# KiCad board 8x8.kicad_pcb (continued)
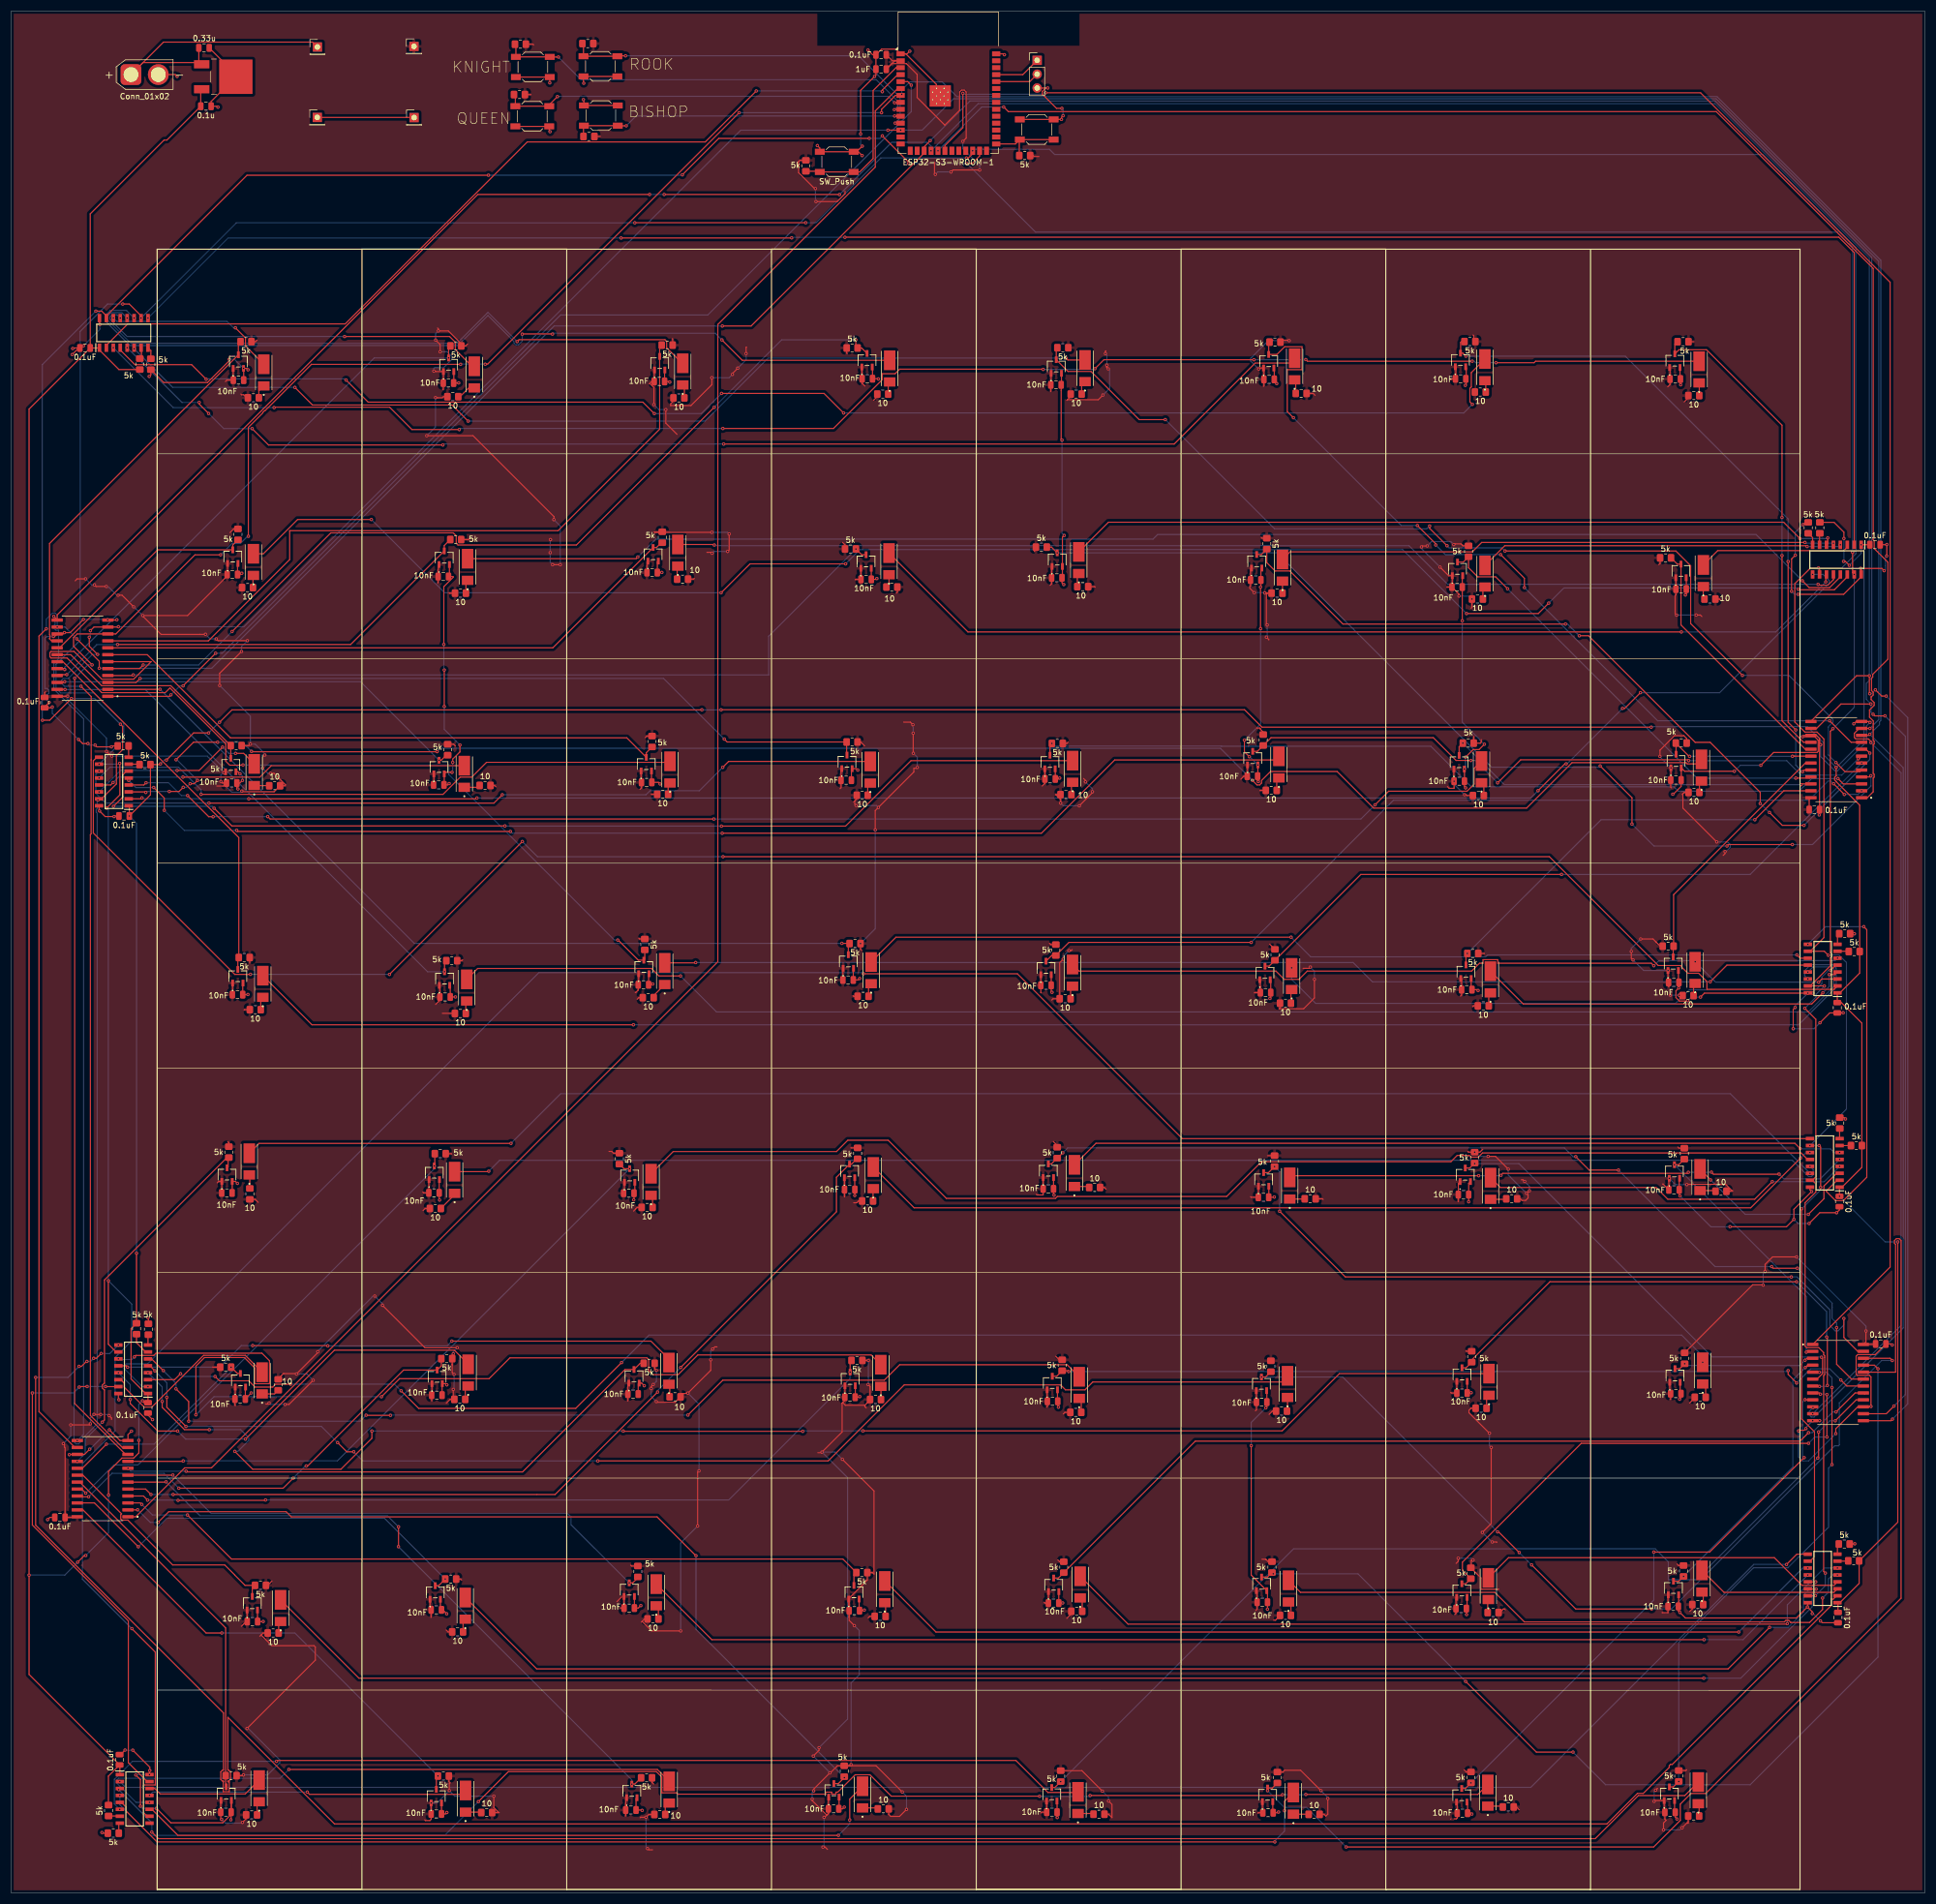
[diagram p0: board, top side]
## Placement (name value [footprint] x y rotation side) (continued)
J16  Conn_01x03  [TSOT-3L_MLX92232LSE-AAA-002-SP_MEL]  191.42 279.68 0 top
J17  Conn_01x03  [TSOT-3L_MLX92232LSE-AAA-002-SP_MEL]  79.35 244.65 0 top
J18  Conn_01x03  [TSOT-3L_MLX92232LSE-AAA-002-SP_MEL]  80.15 280 0 top
J19  Conn_01x03  [TSOT-3L_MLX92232LSE-AAA-002-SP_MEL]  264.9 242.6 0 top
J20  Conn_01x03  [TSOT-3L_MLX92232LSE-AAA-002-SP_MEL]  265.45 280.88 0 top
J21  Conn_01x03  [TSOT-3L_MLX92232LSE-AAA-002-SP_MEL]  78.4 206.3 0 top
J22  Conn_01x03  [TSOT-3L_MLX92232LSE-AAA-002-SP_MEL]  265.2 207.18 0 top
J23  Conn_01x03  [TSOT-3L_MLX92232LSE-AAA-002-SP_MEL]  79.4 167.55 0 top
J24  Conn_01x03  [TSOT-3L_MLX92232LSE-AAA-002-SP_MEL]  266.45 168.8 0 top
J25  Conn_01x03  [TSOT-3L_MLX92232LSE-AAA-002-SP_MEL]  40.63 244.85 0 top
J26  Conn_01x03  [TSOT-3L_MLX92232LSE-AAA-002-SP_MEL]  41.65 280.58 0 top
J27  Conn_01x03  [TSOT-3L_MLX92232LSE-AAA-002-SP_MEL]  305.83 242.23 0 top
J28  Conn_01x03  [TSOT-3L_MLX92232LSE-AAA-002-SP_MEL]  304.7 280.74 0 top
J29  Conn_01x03  [TSOT-3L_MLX92232LSE-AAA-002-SP_MEL]  41.55 167.98 0 top
J30  Conn_01x03  [TSOT-3L_MLX92232LSE-AAA-002-SP_MEL]  40.26 206.68 0 top
J31  Conn_01x03  [TSOT-3L_MLX92232LSE-AAA-002-SP_MEL]  304.4 170.27 0 top
J32  Conn_01x03  [TSOT-3L_MLX92232LSE-AAA-002-SP_MEL]  304.92 207.4 0 top
J33  Conn_01x03  [TSOT-3L_MLX92232LSE-AAA-002-SP_MEL]  114.1 94.68 0 top
J34  Conn_01x03  [TSOT-3L_MLX92232LSE-AAA-002-SP_MEL]  113.7 18.72 0 top
J35  Conn_01x03  [TSOT-3L_MLX92232LSE-AAA-002-SP_MEL]  265.7 55.43 0 top
J36  Conn_01x03  [TSOT-3L_MLX92232LSE-AAA-002-SP_MEL]  266.33 131.6 0 top
J37  Conn_01x03  [TSOT-3L_MLX92232LSE-AAA-002-SP_MEL]  113.22 55.59 0 top
J38  Conn_01x03  [TSOT-3L_MLX92232LSE-AAA-002-SP_MEL]  265.73 95 0 top
J39  Conn_01x03  [TSOT-3L_MLX92232LSE-AAA-002-SP_MEL]  113.3 131.47 0 top
J40  Conn_01x03  [TSOT-3L_MLX92232LSE-AAA-002-SP_MEL]  265.67 17.92 0 top
J41  Conn_01x02  [AMASS_XT30U-M_1x02_P5.0mm_Vertical]  21.99 333.16 0 top
J42  Conn_01x01  [PinHeader_1x01_P2.54mm_Vertical]  56.13 338.21 0 top
J43  Conn_01x01  [PinHeader_1x01_P2.54mm_Vertical]  56.1 325.31 0 top
J44  Conn_01x01  [PinHeader_1x01_P2.54mm_Vertical]  73.8 338.32 0 top
J45  Conn_01x01  [PinHeader_1x01_P2.54mm_Vertical]  73.83 325.29 0 top
J46  Conn_01x03  [TSOT-3L_MLX92232LSE-AAA-002-SP_MEL]  154.37 55.12 0 top
J47  Conn_01x03  [TSOT-3L_MLX92232LSE-AAA-002-SP_MEL]  150.7 18.82 0 top
J48  Conn_01x03  [TSOT-3L_MLX92232LSE-AAA-002-SP_MEL]  304.73 94.83 0 top
J49  Conn_01x03  [TSOT-3L_MLX92232LSE-AAA-002-SP_MEL]  304.63 132.2 0 top
J50  Conn_01x03  [TSOT-3L_MLX92232LSE-AAA-002-SP_MEL]  153.67 94.2 0 top
J51  Conn_01x03  [TSOT-3L_MLX92232LSE-AAA-002-SP_MEL]  304.45 55.9 0 top
J52  Conn_01x03  [TSOT-3L_MLX92232LSE-AAA-002-SP_MEL]  153.58 132.3 0 top
J53  Conn_01x03  [TSOT-3L_MLX92232LSE-AAA-002-SP_MEL]  303.7 18.2 0 top
J54  Conn_01x03  [TSOT-3L_MLX92232LSE-AAA-002-SP_MEL]  78.05 94.58 0 top
J55  Conn_01x03  [TSOT-3L_MLX92232LSE-AAA-002-SP_MEL]  77.52 131.97 0 top
J56  Conn_01x03  [TSOT-3L_MLX92232LSE-AAA-002-SP_MEL]  229.03 56.65 0 top
J57  Conn_01x03  [TSOT-3L_MLX92232LSE-AAA-002-SP_MEL]  230.13 18 0 top
J58  Conn_01x03  [TSOT-3L_MLX92232LSE-AAA-002-SP_MEL]  77.7 55.07 0 top
J59  Conn_01x03  [TSOT-3L_MLX92232LSE-AAA-002-SP_MEL]  229 93.3 0 top
J60  Conn_01x03  [TSOT-3L_MLX92232LSE-AAA-002-SP_MEL]  77.9 17.75 0 top
J61  Conn_01x03  [TSOT-3L_MLX92232LSE-AAA-002-SP_MEL]  229.4 130.75 0 top
J62  Conn_01x03  [TSOT-3L_MLX92232LSE-AAA-002-SP_MEL]  42.03 93.95 0 top
J63  Conn_01x03  [TSOT-3L_MLX92232LSE-AAA-002-SP_MEL]  39.58 131.63 0 top
J64  Conn_01x03  [TSOT-3L_MLX92232LSE-AAA-002-SP_MEL]  190.95 56.48 0 top
J65  Conn_01x03  [TSOT-3L_MLX92232LSE-AAA-002-SP_MEL]  190.6 18.1 0 top
J66  Conn_01x03  [TSOT-3L_MLX92232LSE-AAA-002-SP_MEL]  39.43 18.23 0 top
J67  Conn_01x03  [TSOT-3L_MLX92232LSE-AAA-002-SP_MEL]  44.2 53.1 0 top
J68  Conn_01x03  [TSOT-3L_MLX92232LSE-AAA-002-SP_MEL]  189.97 132.34 0 top
J69  Conn_01x03  [TSOT-3L_MLX92232LSE-AAA-002-SP_MEL]  190.7 93.45 0 top
J70  Conn_01x03  [PinHeader_1x03_P2.54mm_Vertical]  187.92 335.78 0 top
R1  5k  [R_0805_2012Metric_Pad1.20x1.40mm_HandSolder]  331.25 250.12 270 top
R2  5k  [R_0805_2012Metric_Pad1.20x1.40mm_HandSolder]  329.12 250.12 270 top
R3  5k  [R_0805_2012Metric_Pad1.20x1.40mm_HandSolder]  23.6 280.12 90 top
R4  5k  [R_0805_2012Metric_Pad1.20x1.40mm_HandSolder]  25.62 280.1 90 top
R5  5k  [R_0805_2012Metric_Pad1.20x1.40mm_HandSolder]  24.55 206.75 180 top
R6  5k  [R_0805_2012Metric_Pad1.20x1.40mm_HandSolder]  20.55 210.18 0 top
R7  5k  [R_0805_2012Metric_Pad1.20x1.40mm_HandSolder]  337.55 172.5 180 top
R8  5k  [R_0805_2012Metric_Pad1.20x1.40mm_HandSolder]  335.8 175.78 180 top
R9  5k  [R_0805_2012Metric_Pad1.20x1.40mm_HandSolder]  337.95 136.95 180 top
R10  5k  [R_0805_2012Metric_Pad1.20x1.40mm_HandSolder]  334.9 141.08 270 top
R11  5k  [R_0805_2012Metric_Pad1.20x1.40mm_HandSolder]  23 103.4 270 top
R12  5k  [R_0805_2012Metric_Pad1.20x1.40mm_HandSolder]  25.18 103.3 270 top
R13  5k  [R_0805_2012Metric_Pad1.20x1.40mm_HandSolder]  337.45 60.88 180 top
R14  5k  [R_0805_2012Metric_Pad1.20x1.40mm_HandSolder]  335.73 63.95 180 top
R15  10  [R_0805_2012Metric_Pad1.20x1.40mm_HandSolder]  311.12 237.08 180 top
R16  10  [R_0805_2012Metric_Pad1.20x1.40mm_HandSolder]  268.55 237.08 0 top
R17  10  [R_0805_2012Metric_Pad1.20x1.40mm_HandSolder]  231.85 238.15 0 top
R18  10  [R_0805_2012Metric_Pad1.20x1.40mm_HandSolder]  196.28 239.35 180 top
R19  10  [R_0805_2012Metric_Pad1.20x1.40mm_HandSolder]  161.33 239.28 180 top
R20  10  [R_0805_2012Metric_Pad1.20x1.40mm_HandSolder]  123 240.73 180 top
R21  10  [R_0805_2012Metric_Pad1.20x1.40mm_HandSolder]  82.33 238.15 0 top
R22  10  [R_0805_2012Metric_Pad1.20x1.40mm_HandSolder]  43.33 239.18 0 top
R23  10  [R_0805_2012Metric_Pad1.20x1.40mm_HandSolder]  308.17 274.35 0 top
R24  10  [R_0805_2012Metric_Pad1.20x1.40mm_HandSolder]  269.08 275 0 top
R25  10  [R_0805_2012Metric_Pad1.20x1.40mm_HandSolder]  236.28 274.75 180 top
R26  10  [R_0805_2012Metric_Pad1.20x1.40mm_HandSolder]  195.08 274.62 0 top
R27  10  [R_0805_2012Metric_Pad1.20x1.40mm_HandSolder]  159.65 274.62 0 top
R28  10  [R_0805_2012Metric_Pad1.20x1.40mm_HandSolder]  122.33 273.93 0 top
R29  10  [R_0805_2012Metric_Pad1.20x1.40mm_HandSolder]  80.93 274.15 0 top
R30  10  [R_0805_2012Metric_Pad1.20x1.40mm_HandSolder]  44.4 273.95 0 top
R31  10  [R_0805_2012Metric_Pad1.20x1.40mm_HandSolder]  308.2 201.65 0 top
R32  10  [R_0805_2012Metric_Pad1.20x1.40mm_HandSolder]  268.73 201.08 0 top
R33  10  [R_0805_2012Metric_Pad1.20x1.40mm_HandSolder]  230.8 202.03 0 top
R34  10  [R_0805_2012Metric_Pad1.20x1.40mm_HandSolder]  193.2 201.25 0 top
R35  10  [R_0805_2012Metric_Pad1.20x1.40mm_HandSolder]  155.9 201.12 0 top
R36  10  [R_0805_2012Metric_Pad1.20x1.40mm_HandSolder]  119.35 201.3 0 top
R37  10  [R_0805_2012Metric_Pad1.20x1.40mm_HandSolder]  86.83 202.93 180 top
R38  10  [R_0805_2012Metric_Pad1.20x1.40mm_HandSolder]  48.3 202.88 180 top
R39  10  [R_0805_2012Metric_Pad1.20x1.40mm_HandSolder]  307.12 164.43 0 top
R40  10  [R_0805_2012Metric_Pad1.20x1.40mm_HandSolder]  269.62 162.55 0 top
R41  10  [R_0805_2012Metric_Pad1.20x1.40mm_HandSolder]  233.4 163.03 0 top
R42  10  [R_0805_2012Metric_Pad1.20x1.40mm_HandSolder]  193.05 163.85 0 top
R43  10  [R_0805_2012Metric_Pad1.20x1.40mm_HandSolder]  156.05 164.3 0 top
R44  10  [R_0805_2012Metric_Pad1.20x1.40mm_HandSolder]  116.7 164.05 0 top
R45  10  [R_0805_2012Metric_Pad1.20x1.40mm_HandSolder]  82.3 161.15 0 top
R46  10  [R_0805_2012Metric_Pad1.20x1.40mm_HandSolder]  44.75 161.85 0 top
R47  10  [R_0805_2012Metric_Pad1.20x1.40mm_HandSolder]  313.15 128.58 180 top
R48  10  [R_0805_2012Metric_Pad1.20x1.40mm_HandSolder]  274.83 127.2 180 top
R49  10  [R_0805_2012Metric_Pad1.20x1.40mm_HandSolder]  237.92 127.2 180 top
R50  10  [R_0805_2012Metric_Pad1.20x1.40mm_HandSolder]  198.45 129.28 180 top
R51  10  [R_0805_2012Metric_Pad1.20x1.40mm_HandSolder]  156.88 126.8 0 top
R52  10  [R_0805_2012Metric_Pad1.20x1.40mm_HandSolder]  116.5 125.62 0 top
R53  10  [R_0805_2012Metric_Pad1.20x1.40mm_HandSolder]  77.72 125.43 0 top
R54  10  [R_0805_2012Metric_Pad1.20x1.40mm_HandSolder]  43.75 128.09 90 top
R55  10  [R_0805_2012Metric_Pad1.20x1.40mm_HandSolder]  309.35 90.82 0 top
R56  10  [R_0805_2012Metric_Pad1.20x1.40mm_HandSolder]  269.23 88.82 0 top
R57  10  [R_0805_2012Metric_Pad1.20x1.40mm_HandSolder]  232.67 88.3 0 top
R58  10  [R_0805_2012Metric_Pad1.20x1.40mm_HandSolder]  195 88.07 0 top
R59  10  [R_0805_2012Metric_Pad1.20x1.40mm_HandSolder]  158.33 90.43 0 top
R60  10  [R_0805_2012Metric_Pad1.20x1.40mm_HandSolder]  121.62 90.92 180 top
R61  10  [R_0805_2012Metric_Pad1.20x1.40mm_HandSolder]  82.2 90.45 0 top
R62  10  [R_0805_2012Metric_Pad1.20x1.40mm_HandSolder]  48.95 93.12 270 top
R63  10  [R_0805_2012Metric_Pad1.20x1.40mm_HandSolder]  308.9 52.85 0 top
R64  10  [R_0805_2012Metric_Pad1.20x1.40mm_HandSolder]  271.42 51.4 180 top
R65  10  [R_0805_2012Metric_Pad1.20x1.40mm_HandSolder]  233.4 50.88 0 top
R66  10  [R_0805_2012Metric_Pad1.20x1.40mm_HandSolder]  195.17 51.62 0 top
R67  10  [R_0805_2012Metric_Pad1.20x1.40mm_HandSolder]  159.17 50.69 0 top
R68  10  [R_0805_2012Metric_Pad1.20x1.40mm_HandSolder]  117.58 50.23 0 top
R69  10  [R_0805_2012Metric_Pad1.20x1.40mm_HandSolder]  81.8 47.85 0 top
R70  10  [R_0805_2012Metric_Pad1.20x1.40mm_HandSolder]  48.03 47.65 0 top
R71  5k  [R_0805_2012Metric_Pad1.20x1.40mm_HandSolder]  17.88 15.12 270 top
R72  5k  [R_0805_2012Metric_Pad1.20x1.40mm_HandSolder]  18.75 10.98 0 top
R73  5k  [R_0805_2012Metric_Pad1.20x1.40mm_HandSolder]  119.28 248.4 90 top
R74  5k  [R_0805_2012Metric_Pad1.20x1.40mm_HandSolder]  116.08 173.8 90 top
R75  5k  [R_0805_2012Metric_Pad1.20x1.40mm_HandSolder]  229.97 247.23 90 top
R76  5k  [R_0805_2012Metric_Pad1.20x1.40mm_HandSolder]  231.47 171.9 90 top
R77  5k  [R_0805_2012Metric_Pad1.20x1.40mm_HandSolder]  117.4 210.98 90 top
R78  5k  [R_0805_2012Metric_Pad1.20x1.40mm_HandSolder]  229.33 211.25 90 top
R79  5k  [R_0805_2012Metric_Pad1.20x1.40mm_HandSolder]  120.18 283.6 0 top
R80  5k  [R_0805_2012Metric_Pad1.20x1.40mm_HandSolder]  231.47 284.15 0 top
R81  5k  [R_0805_2012Metric_Pad1.20x1.40mm_HandSolder]  153.74 246.25 180 top
R82  5k  [R_0805_2012Metric_Pad1.20x1.40mm_HandSolder]  154.03 210.89 0 top
R83  5k  [R_0805_2012Metric_Pad1.20x1.40mm_HandSolder]  154.58 173.96 0 top
R84  5k  [R_0805_2012Metric_Pad1.20x1.40mm_HandSolder]  188.7 246.59 180 top
R85  5k  [R_0805_2012Metric_Pad1.20x1.40mm_HandSolder]  191.63 210.62 0 top
R86  5k  [R_0805_2012Metric_Pad1.20x1.40mm_HandSolder]  191.35 172.78 90 top
R87  5k  [R_0805_2012Metric_Pad1.20x1.40mm_HandSolder]  154.05 283.08 180 top
R88  5k  [R_0805_2012Metric_Pad1.20x1.40mm_HandSolder]  192.63 283.12 0 top
R89  10  [R_0805_2012Metric_Pad1.20x1.40mm_HandSolder]  308.15 14.12 0 top
R90  10  [R_0805_2012Metric_Pad1.20x1.40mm_HandSolder]  274.2 15.78 180 top
R91  10  [R_0805_2012Metric_Pad1.20x1.40mm_HandSolder]  238.65 14.43 180 top
R92  10  [R_0805_2012Metric_Pad1.20x1.40mm_HandSolder]  199.25 14.45 180 top
R93  10  [R_0805_2012Metric_Pad1.20x1.40mm_HandSolder]  159.75 15.43 180 top
R94  10  [R_0805_2012Metric_Pad1.20x1.40mm_HandSolder]  118.83 14.4 0 top
R95  10  [R_0805_2012Metric_Pad1.20x1.40mm_HandSolder]  87.12 14.75 180 top
R96  10  [R_0805_2012Metric_Pad1.20x1.40mm_HandSolder]  44.08 14.32 0 top
R97  5k  [R_0805_2012Metric_Pad1.20x1.40mm_HandSolder]  81.45 247.98 0 top
R98  5k  [R_0805_2012Metric_Pad1.20x1.40mm_HandSolder]  81.47 283.45 0 top
R99  5k  [R_0805_2012Metric_Pad1.20x1.40mm_HandSolder]  266.92 245.83 90 top
R100  5k  [R_0805_2012Metric_Pad1.20x1.40mm_HandSolder]  267.17 284.25 0 top
R101  5k  [R_0805_2012Metric_Pad1.20x1.40mm_HandSolder]  79.97 209.48 90 top
R102  5k  [R_0805_2012Metric_Pad1.20x1.40mm_HandSolder]  266.88 210.68 0 top
R103  5k  [R_0805_2012Metric_Pad1.20x1.40mm_HandSolder]  80.72 170.83 0 top
R104  5k  [R_0805_2012Metric_Pad1.20x1.40mm_HandSolder]  267.7 172.15 0 top
R105  5k  [R_0805_2012Metric_Pad1.20x1.40mm_HandSolder]  41.58 248.93 90 top
R106  5k  [R_0805_2012Metric_Pad1.20x1.40mm_HandSolder]  43.05 284.23 0 top
R107  5k  [R_0805_2012Metric_Pad1.20x1.40mm_HandSolder]  303 244.62 180 top
R108  5k  [R_0805_2012Metric_Pad1.20x1.40mm_HandSolder]  306.2 284.23 0 top
R109  5k  [R_0805_2012Metric_Pad1.20x1.40mm_HandSolder]  42.72 171.4 0 top
R110  5k  [R_0805_2012Metric_Pad1.20x1.40mm_HandSolder]  41.25 210.23 0 top
R111  5k  [R_0805_2012Metric_Pad1.20x1.40mm_HandSolder]  303.48 173.48 180 top
R112  5k  [R_0805_2012Metric_Pad1.20x1.40mm_HandSolder]  305.88 210.7 0 top
R113  5k  [R_0805_2012Metric_Pad1.20x1.40mm_HandSolder]  116.89 97.06 0 top
R114  5k  [R_0805_2012Metric_Pad1.20x1.40mm_HandSolder]  116.4 21.12 0 top
R115  5k  [R_0805_2012Metric_Pad1.20x1.40mm_HandSolder]  267.34 58.6 90 top
R116  5k  [R_0805_2012Metric_Pad1.20x1.40mm_HandSolder]  268.04 134.75 90 top
R117  5k  [R_0805_2012Metric_Pad1.20x1.40mm_HandSolder]  114.8 58.93 90 top
R118  5k  [R_0805_2012Metric_Pad1.20x1.40mm_HandSolder]  267.5 98.27 90 top
R119  5k  [R_0805_2012Metric_Pad1.20x1.40mm_HandSolder]  111.43 134.55 90 top
R120  5k  [R_0805_2012Metric_Pad1.20x1.40mm_HandSolder]  267.36 21.19 90 top
R121  5k  [R_0805_2012Metric_Pad1.20x1.40mm_HandSolder]  154.92 97.59 0 top
R122  5k  [R_0805_2012Metric_Pad1.20x1.40mm_HandSolder]  155.82 58.72 0 top
R123  5k  [R_0805_2012Metric_Pad1.20x1.40mm_HandSolder]  152.6 22.32 90 top
R124  5k  [R_0805_2012Metric_Pad1.20x1.40mm_HandSolder]  306.29 59.02 90 top
R125  5k  [R_0805_2012Metric_Pad1.20x1.40mm_HandSolder]  306.49 97.98 90 top
R126  5k  [R_0805_2012Metric_Pad1.20x1.40mm_HandSolder]  306.44 135.47 90 top
R127  5k  [R_0805_2012Metric_Pad1.20x1.40mm_HandSolder]  155.05 135.53 90 top
R128  5k  [R_0805_2012Metric_Pad1.20x1.40mm_HandSolder]  305.41 21.45 90 top
R129  5k  [R_0805_2012Metric_Pad1.20x1.40mm_HandSolder]  79.81 97.91 0 top
R130  5k  [R_0805_2012Metric_Pad1.20x1.40mm_HandSolder]  78.62 135.47 0 top
R131  5k  [R_0805_2012Metric_Pad1.20x1.40mm_HandSolder]  230.92 59.72 90 top
R132  5k  [R_0805_2012Metric_Pad1.20x1.40mm_HandSolder]  231.91 21.17 90 top
R133  5k  [R_0805_2012Metric_Pad1.20x1.40mm_HandSolder]  80.53 57.53 0 top
R134  5k  [R_0805_2012Metric_Pad1.20x1.40mm_HandSolder]  230.73 96.52 90 top
R135  5k  [R_0805_2012Metric_Pad1.20x1.40mm_HandSolder]  79.2 21.45 0 top
R136  5k  [R_0805_2012Metric_Pad1.20x1.40mm_HandSolder]  231.4 134.1 90 top
R137  10k  [R_0805_2012Metric_Pad1.20x1.40mm_HandSolder]  93.3 338.73 0 top
R138  10k  [R_0805_2012Metric_Pad1.20x1.40mm_HandSolder]  93.12 329.5 0 top
R139  5k  [R_0805_2012Metric_Pad1.20x1.40mm_HandSolder]  39.33 96.35 180 top
R140  5k  [R_0805_2012Metric_Pad1.20x1.40mm_HandSolder]  39.9 135.75 90 top
R141  5k  [R_0805_2012Metric_Pad1.20x1.40mm_HandSolder]  192.8 59.7 90 top
R142  5k  [R_0805_2012Metric_Pad1.20x1.40mm_HandSolder]  192.24 21.43 90 top
R143  5k  [R_0805_2012Metric_Pad1.20x1.40mm_HandSolder]  40.33 21.52 0 top
R144  5k  [R_0805_2012Metric_Pad1.20x1.40mm_HandSolder]  45.7 56.38 0 top
R145  5k  [R_0805_2012Metric_Pad1.20x1.40mm_HandSolder]  191.59 135.65 90 top
R146  5k  [R_0805_2012Metric_Pad1.20x1.40mm_HandSolder]  192.51 96.7 90 top
R147  5k  [R_0805_2012Metric_Pad1.20x1.40mm_HandSolder]  185.65 318.32 0 top
R148  10k  [R_0805_2012Metric_Pad1.20x1.40mm_HandSolder]  105.65 338.85 0 top
R149  5k  [R_0805_2012Metric_Pad1.20x1.40mm_HandSolder]  145.58 316.45 90 top
R150  10k  [R_0805_2012Metric_Pad1.20x1.40mm_HandSolder]  105.85 321.82 0 top
SW1  SW_Push  [SW_SPST_SKQG_WithStem]  95.58 334.55 180 top
SW2  SW_Push  [SW_SPST_SKQG_WithStem]  95.47 325.53 180 top
SW3  SW_Push  [SW_SPST_SKQG_WithStem]  107.95 334.68 180 top
SW4  SW_Push  [SW_SPST_SKQG_WithStem]  108.03 325.65 0 top
SW5  SW_Push  [SW_SPST_SKQG_WithStem]  187.85 323.1 0 top
SW6  SW_Push  [SW_SPST_SKQG_WithStem]  151.22 317.17 0 top
U1  TPIC6C595N  [SOIC127P600X175-16N]  334.38 244.3 270 top
U2  TPIC6C595N  [SOIC127P600X175-16N]  20.66 285.84 90 top
U3  TPIC6C595N  [SOIC127P600X175-16N]  18.86 203.65 180 top
U4  TPIC6C595N  [SOIC127P600X175-16N]  331.77 169.38 180 top
U5  TPIC6C595N  [SOIC127P600X175-16N]  332.16 133.78 180 top
U6  TPIC6C595N  [SOIC127P600X175-16N]  22.39 95.97 180 top
U7  TPIC6C595N  [SOIC127P600X175-16N]  331.76 57.65 180 top
U8  TPIC6C595N  [SOIC127P600X175-16N]  22.66 17.25 0 top
U9  CD74HC4067M  [SOIC127P1030X265-24N]  13.12 226.24 180 top
U10  CD74HC4067M  [SOIC127P1030X265-24N]  16.8 75.93 180 top
U11  CD74HC4067M  [SOIC127P1030X265-24N]  334.26 207.66 180 top
U12  L7805  [L7805CDTTR]  41.19 332.76 270 top
U13  CD74HC4067M  [SOIC127P1030X265-24N]  334.59 93.54 0 top
U14  -  [ESP32-S3-WROOM-1]  171.67 331.7 0 top

## Library data of the parts
C1-C80 = -: Description: Unpolarized capacitor; ki_fp_filters: C_*
D1-D64 = -: MF: Cree Inc.; MAXIMUM_PACKAGE_HEIGHT: 0.65mm; Package: 2212 Cree Inc.; Price: None; Check_prices: https://www.snapeda.com/parts/JB5630AWT-P-H40GA0000-NZ000001/Cree/view-part/?ref=eda; STANDARD: Manufacturer Recommendations; PARTREV: 3; SnapEDA_Link: https://www.snapeda.com/parts/JB5630AWT-P-H40GA0000-NZ000001/Cree/view-part/?ref=snap; Description_1: LED Lighting series White, Neutral 4000K 3-Step MacAdam Ellipse 2.71V 65mA 120° 2212 (5630 Metric); Availability: In Stock; MANUFACTURER: CREE
J1-J40 J46-J70 = -: Description: Generic connector, single row, 01x03, script generated (kicad-library-utils/schlib/autogen/connector/); ki_fp_filters: Connector*:*_1x??_*
J41 = -: Description: Generic connector, single row, 01x02, script generated (kicad-library-utils/schlib/autogen/connector/); ki_fp_filters: Connector*:*_1x??_*
J42-J45 = -: Description: Generic connector, single row, 01x01, script generated (kicad-library-utils/schlib/autogen/connector/); ki_fp_filters: Connector*:*_1x??_*
R1-R150 = -: Description: Resistor; ki_fp_filters: R_*
SW1-SW6 = -: Description: Push button switch, generic, two pins
U1-U8 = -: MF: Texas Instruments; Description_1: 8-bit shift register with 100mA/ch; Package: PDIP-16 Texas Instruments; Price: None; SnapEDA_Link: https://www.snapeda.com/parts/TPIC6C595N/Texas+Instruments/view-part/?ref=snap; Availability: In Stock; Check_prices: https://www.snapeda.com/parts/TPIC6C595N/Texas+Instruments/view-part/?ref=eda
U9-U11 U13 = -: Datasheet: http://www.ti.com/lit/ds/symlink/cd74hc4067.pdf; Description: High-Speed CMOS Logic 16-Channel Analog Multiplexer/Demultiplexer, SOIC-24; ki_fp_filters: SOIC*W*7.5x15.4mm*P1.27mm*
U12 = -: Datasheet: http://www.st.com/content/ccc/resource/technical/document/datasheet/41/4f/b3/b0/12/d4/47/88/CD00000444.pdf/files/CD00000444.pdf/jcr:content/translations/en.CD00000444.pdf; Description: Positive 1.5A 35V Linear Regulator, Fixed Output 5V, TO-220/TO-263/TO-252; ki_fp_filters: TO?252* TO?263* TO?220*
U14 = -: Datasheet: https://www.espressif.com/sites/default/files/documentation/esp32-s3-wroom-1_wroom-1u_datasheet_en.pdf; Description: RF Module, ESP32-S3 SoC, Wi-Fi 802.11b/g/n, Bluetooth, BLE, 32-bit, 3.3V, onboard antenna, SMD; ki_fp_filters: ESP32?S3?WROOM?1*

## Footprints (pads in the part's own frame, mm; a bottom-side part is the same pattern mirrored in y, then rotated)
AMASS_XT30U-M_1x02_P5.0mm_Vertical
  rrect 3.8x3.8 hole 2.7: 1(0,0)
  round 3.8 hole 2.7: 2(5,0)
C_0805_2012Metric
  rrect 1x1.45 smd: 1(-0.95,0) 2(0.95,0)
ESP32-S3-WROOM-1
  rect 0.9x0.9 smd: (-2.9,-1.06) (-2.9,-2.46) (-2.9,-3.86) (-1.5,-1.06) (-1.5,-2.46) (-1.5,-3.86) (-0.1,-1.06) (-0.1,-2.46) (-0.1,-3.86)
  rect 1.5x0.9 smd: 1(-8.75,5.26) 2(-8.75,3.99) 3(-8.75,2.72) 4(-8.75,1.45) 5(-8.75,0.18) 6(-8.75,-1.09) 7(-8.75,-2.36) 8(-8.75,-3.63) 9(-8.75,-4.9) 10(-8.75,-6.17) 11(-8.75,-7.44) 12(-8.75,-8.71) 13(-8.75,-9.98) 14(-8.75,-11.25) 27(8.75,-11.25) 28(8.75,-9.98) 29(8.75,-8.71) 30(8.75,-7.44) 31(8.75,-6.17) 32(8.75,-4.9) 33(8.75,-3.63) 34(8.75,-2.36) 35(8.75,-1.09) 36(8.75,0.18) 37(8.75,1.45) 38(8.75,2.72) 39(8.75,3.99) 40(8.75,5.26)
  rect 0.9x1.5 smd: 15(-6.985,-12.5) 16(-5.715,-12.5) 17(-4.445,-12.5) 18(-3.175,-12.5) 19(-1.905,-12.5) 20(-0.635,-12.5) 21(0.635,-12.5) 22(1.905,-12.5) 23(3.175,-12.5) 24(4.445,-12.5) 25(5.715,-12.5) 26(6.985,-12.5)
  round 0.6 hole 0.2: 41(-2.9,-1.76) 41(-2.9,-3.16) 41(-2.2,-1.06) 41(-2.2,-2.46) 41(-2.2,-3.86) 41(-1.5,-1.76) 41(-1.5,-3.16) 41(-0.8,-1.06) 41(-0.8,-2.46) 41(-0.8,-3.86) 41(-0.1,-1.76) 41(-0.1,-3.16)
  rect 3.9x3.9 smd: 41(-1.5,-2.46)
L7805CDTTR
  rect 1.5x2.8 smd: 1(-2.286,-6.25) 3(2.286,-6.25)
  rect 6.3x6.1 smd: 2(0,0)
LED_JB5630AWT-P-H40GA0000-NZ000001
  rect 1.68x2.1 smd: A(-2.07,0)
  rect 3.6x2.1 smd: C(1.9,0)
PinHeader_1x01_P2.54mm_Vertical
  rect 1.7x1.7 hole 1: 1(0,0)
PinHeader_1x03_P2.54mm_Vertical
  rect 1.7x1.7 hole 1: 1(0,0)
  round 1.7 hole 1: 2(0,-2.54) 3(0,-5.08)
R_0805_2012Metric_Pad1.20x1.40mm_HandSolder
  rrect 1.2x1.4 smd: 1(-1,0) 2(1,0)
SOIC127P600X175-16N
  rect 1.525x0.65 smd: 1(-2.712,4.445) 2(-2.712,3.175) 3(-2.712,1.905) 4(-2.712,0.635) 5(-2.712,-0.635) 6(-2.712,-1.905) 7(-2.712,-3.175) 8(-2.712,-4.445) 9(2.712,-4.445) 10(2.712,-3.175) 11(2.712,-1.905) 12(2.712,-0.635) 13(2.712,0.635) 14(2.712,1.905) 15(2.712,3.175) 16(2.712,4.445)
SOIC127P1030X265-24N
  rrect 2.06x0.6 smd: 1(-4.64,6.985) 2(-4.64,5.715) 3(-4.64,4.445) 4(-4.64,3.175) 5(-4.64,1.905) 6(-4.64,0.635) 7(-4.64,-0.635) 8(-4.64,-1.905) 9(-4.64,-3.175) 10(-4.64,-4.445) 11(-4.64,-5.715) 12(-4.64,-6.985) 13(4.64,-6.985) 14(4.64,-5.715) 15(4.64,-4.445) 16(4.64,-3.175) 17(4.64,-1.905) 18(4.64,-0.635) 19(4.64,0.635) 20(4.64,1.905) 21(4.64,3.175) 22(4.64,4.445) 23(4.64,5.715) 24(4.64,6.985)
SW_SPST_SKQG_WithStem
  rect 1.8x1.1 smd: 1(-3.1,1.85) 1(3.1,1.85) 2(-3.1,-1.85) 2(3.1,-1.85)
TSOT-3L_MLX92232LSE-AAA-002-SP_MEL
  rect 0.508x1.219 smd: 1(-0.95,-1.246) 2(0.95,-1.246) 3(0,1.246)

## Nets
+3.3V: C8.2 C9.2 C10.2 C11.2 C12.2 C13.2 C14.2 C15.2 C17.2 C18.2 C19.2 C20.2 C21.2 C22.2 C23.2 C24.2 C25.2 C26.2 C27.2 C28.2 C29.2 C30.2 C31.2 C32.2 C33.2 C34.2 C35.2 C36.2 C37.2 C38.2 C39.2 C40.2 C41.2 C42.2 C43.2 C44.2 C45.2 C46.2 C47.2 C48.2 C49.2 C50.2 C51.2 C53.2 C54.2 C55.2 C56.2 C57.2 C58.2 C59.2 C60.2 C62.2 C63.2 C64.2 C65.2 C66.2 C67.2 C68.2 C69.2 C70.2 C71.2 C72.2 C73.2 C74.2 C75.2 C76.2 C77.2 C78.2 C79.2 C80.2 J1.1 J2.1 J3.1 J4.1 J5.1 J6.1 J7.1 J8.1 J9.1 J10.1 J11.1 J12.1 J13.1 J14.1 J15.1 J16.1 J17.1 J18.1 J19.1 J20.1 J21.1 J22.1 J23.1 J24.1 J25.1 J26.1 J27.1 J28.1 J29.1 J30.1 J31.1 J32.1 J33.1 J34.1 J35.1 J36.1 J37.1 J38.1 J39.1 J40.1 J44.1 J46.1 J47.1 J48.1 J49.1 J50.1 J51.1 J52.1 J53.1 J54.1 J55.1 J56.1 J57.1 J58.1 J59.1 J60.1 J61.1 J62.1 J63.1 J64.1 J65.1 J66.1 J67.1 J68.1 J69.1 R15.1 R16.1 R17.1 R18.1 R19.1 R20.1 R21.1 R22.1 R23.1 R24.1 R25.1 R26.1 R27.1 R28.1 R29.1 R30.1 R31.1 R32.1 R33.1 R34.1 R35.1 R36.1 R37.1 R38.1 R39.1 R40.1 R41.1 R42.1 R43.1 R44.1 R45.1 R46.1 R47.1 R48.1 R49.1 R50.1 R51.1 R52.1 R53.1 R54.1 R55.1 R56.1 R57.1 R58.1 R59.1 R60.1 R61.1 R62.1 R63.1 R64.1 R65.1 R66.1 R67.1 R68.1 R69.1 R70.1 R73.2 R74.2 R75.2 R76.2 R77.2 R78.2 R79.2 R80.2 R81.2 R82.2 R83.2 R84.2 R85.2 R86.2 R87.2 R88.2 R89.1 R90.1 R91.1 R92.1 R93.1 R94.1 R95.1 R96.1 R97.2 R98.2 R99.2 R100.2 R101.2 R102.2 R103.2 R104.2 R105.2 R106.2 R107.2 R108.2 R109.2 R110.2 R111.2 R112.2 R113.2 R114.2 R115.2 R116.2 R117.2 R118.2 R119.2 R120.2 R121.2 R122.2 R123.2 R124.2 R125.2 R126.2 R127.2 R128.2 R129.2 R130.2 R131.2 R132.2 R133.2 R134.2 R135.2 R136.2 R137.2 R138.2 R139.2 R140.2 R141.2 R142.2 R143.2 R144.2 R145.2 R146.2 R147.2 R148.2 R149.2 R150.2 U9.24 U10.24 U11.24 U13.24 U14.2
+5V: C1.2 C2.2 C3.2 C4.2 C5.2 C6.2 C7.2 C16.2 C61.1 R1.1 R3.1 R5.1 R7.1 R9.1 R11.1 R13.1 R71.1 U1.1 U2.1 U3.1 U4.1 U5.1 U6.1 U7.1 U8.1 U12.3
+7.4V: C52.1 J41.1 J42.1 U12.1
GND: C1.1 C2.1 C3.1 C4.1 C5.1 C6.1 C7.1 C8.1 C9.1 C10.1 C11.1 C12.1 C13.1 C14.1 C15.1 C16.1 C17.1 C18.1 C19.1 C20.1 C21.1 C22.1 C23.1 C24.1 C25.1 C26.1 C27.1 C28.1 C29.1 C30.1 C31.1 C32.1 C33.1 C34.1 C35.1 C36.1 C37.1 C38.1 C39.1 C40.1 C41.1 C42.1 C43.1 C44.1 C45.1 C46.1 C47.1 C48.1 C49.1 C50.1 C51.1 C52.2 C53.1 C54.1 C55.1 C56.1 C57.1 C58.1 C59.1 C60.1 C61.2 C62.1 C63.1 C64.1 C65.1 C66.1 C67.1 C68.1 C69.1 C70.1 C71.1 C72.1 C73.1 C74.1 C75.1 C76.1 C77.1 C78.1 C79.1 C80.1 J1.2 J2.2 J3.2 J4.2 J5.2 J6.2 J7.2 J8.2 J9.2 J10.2 J11.2 J12.2 J13.2 J14.2 J15.2 J16.2 J17.2 J18.2 J19.2 J20.2 J21.2 J22.2 J23.2 J24.2 J25.2 J26.2 J27.2 J28.2 J29.2 J30.2 J31.2 J32.2 J33.2 J34.2 J35.2 J36.2 J37.2 J38.2 J39.2 J40.2 J41.2 J43.1 J45.1 J46.2 J47.2 J48.2 J49.2 J50.2 J51.2 J52.2 J53.2 J54.2 J55.2 J56.2 J57.2 J58.2 J59.2 J60.2 J61.2 J62.2 J63.2 J64.2 J65.2 J66.2 J67.2 J68.2 J69.2 J70.3 R2.1 R4.1 R6.1 R8.1 R10.1 R12.1 R14.1 R72.1 SW1.1 SW2.1 SW3.1 SW4.1 SW5.1 SW6.1 U1.16 U2.16 U3.16 U4.16 U5.16 U6.16 U7.16 U8.16 U9.12 U9.15 U10.12 U10.15 U11.12 U11.15 U12.2 U13.12 U13.15 U14.1 U14.40 U14.41
/A0: U9.1 U14.5
/A1: U10.1 U14.6
/A2: U11.1 U14.19
/A3: U13.1 U14.20
/Bishop_promote: R150.1 SW4.2 U14.10
/EN: R149.1 SW6.2 U14.3
/HALL1: J7.3 R79.1 U9.9
/HALL2: J1.3 R73.1 U9.8
/HALL3: J5.3 R77.1 U9.7
/HALL4: J2.3 R74.1 U9.6
/HALL5: J15.3 R87.1 U9.5
/HALL6: J13.3 R81.1 U9.4
/HALL7: J9.3 R82.1 U9.3
/HALL8: J10.3 R83.1 U9.2
/HALL9: J23.3 R103.1 U9.23
/HALL10: J21.3 R101.1 U9.22
/HALL11: J17.3 R97.1 U9.21
/HALL12: J18.3 R98.1 U9.20
/HALL13: J29.3 R109.1 U9.19
/HALL14: J30.3 R110.1 U9.18
/HALL15: J25.3 R105.1 U9.17
/HALL16: J26.3 R106.1 U9.16
/HALL17: J39.3 R119.1 U10.9
/HALL18: J33.3 R113.1 U10.8
/HALL19: J37.3 R117.1 U10.7
/HALL20: J34.3 R114.1 U10.6
/HALL21: J52.3 R127.1 U10.5
/HALL22: J50.3 R121.1 U10.4
/HALL23: J46.3 R122.1 U10.3